# KiCad board KlusterLab r2.0.kicad_pcb (continued)
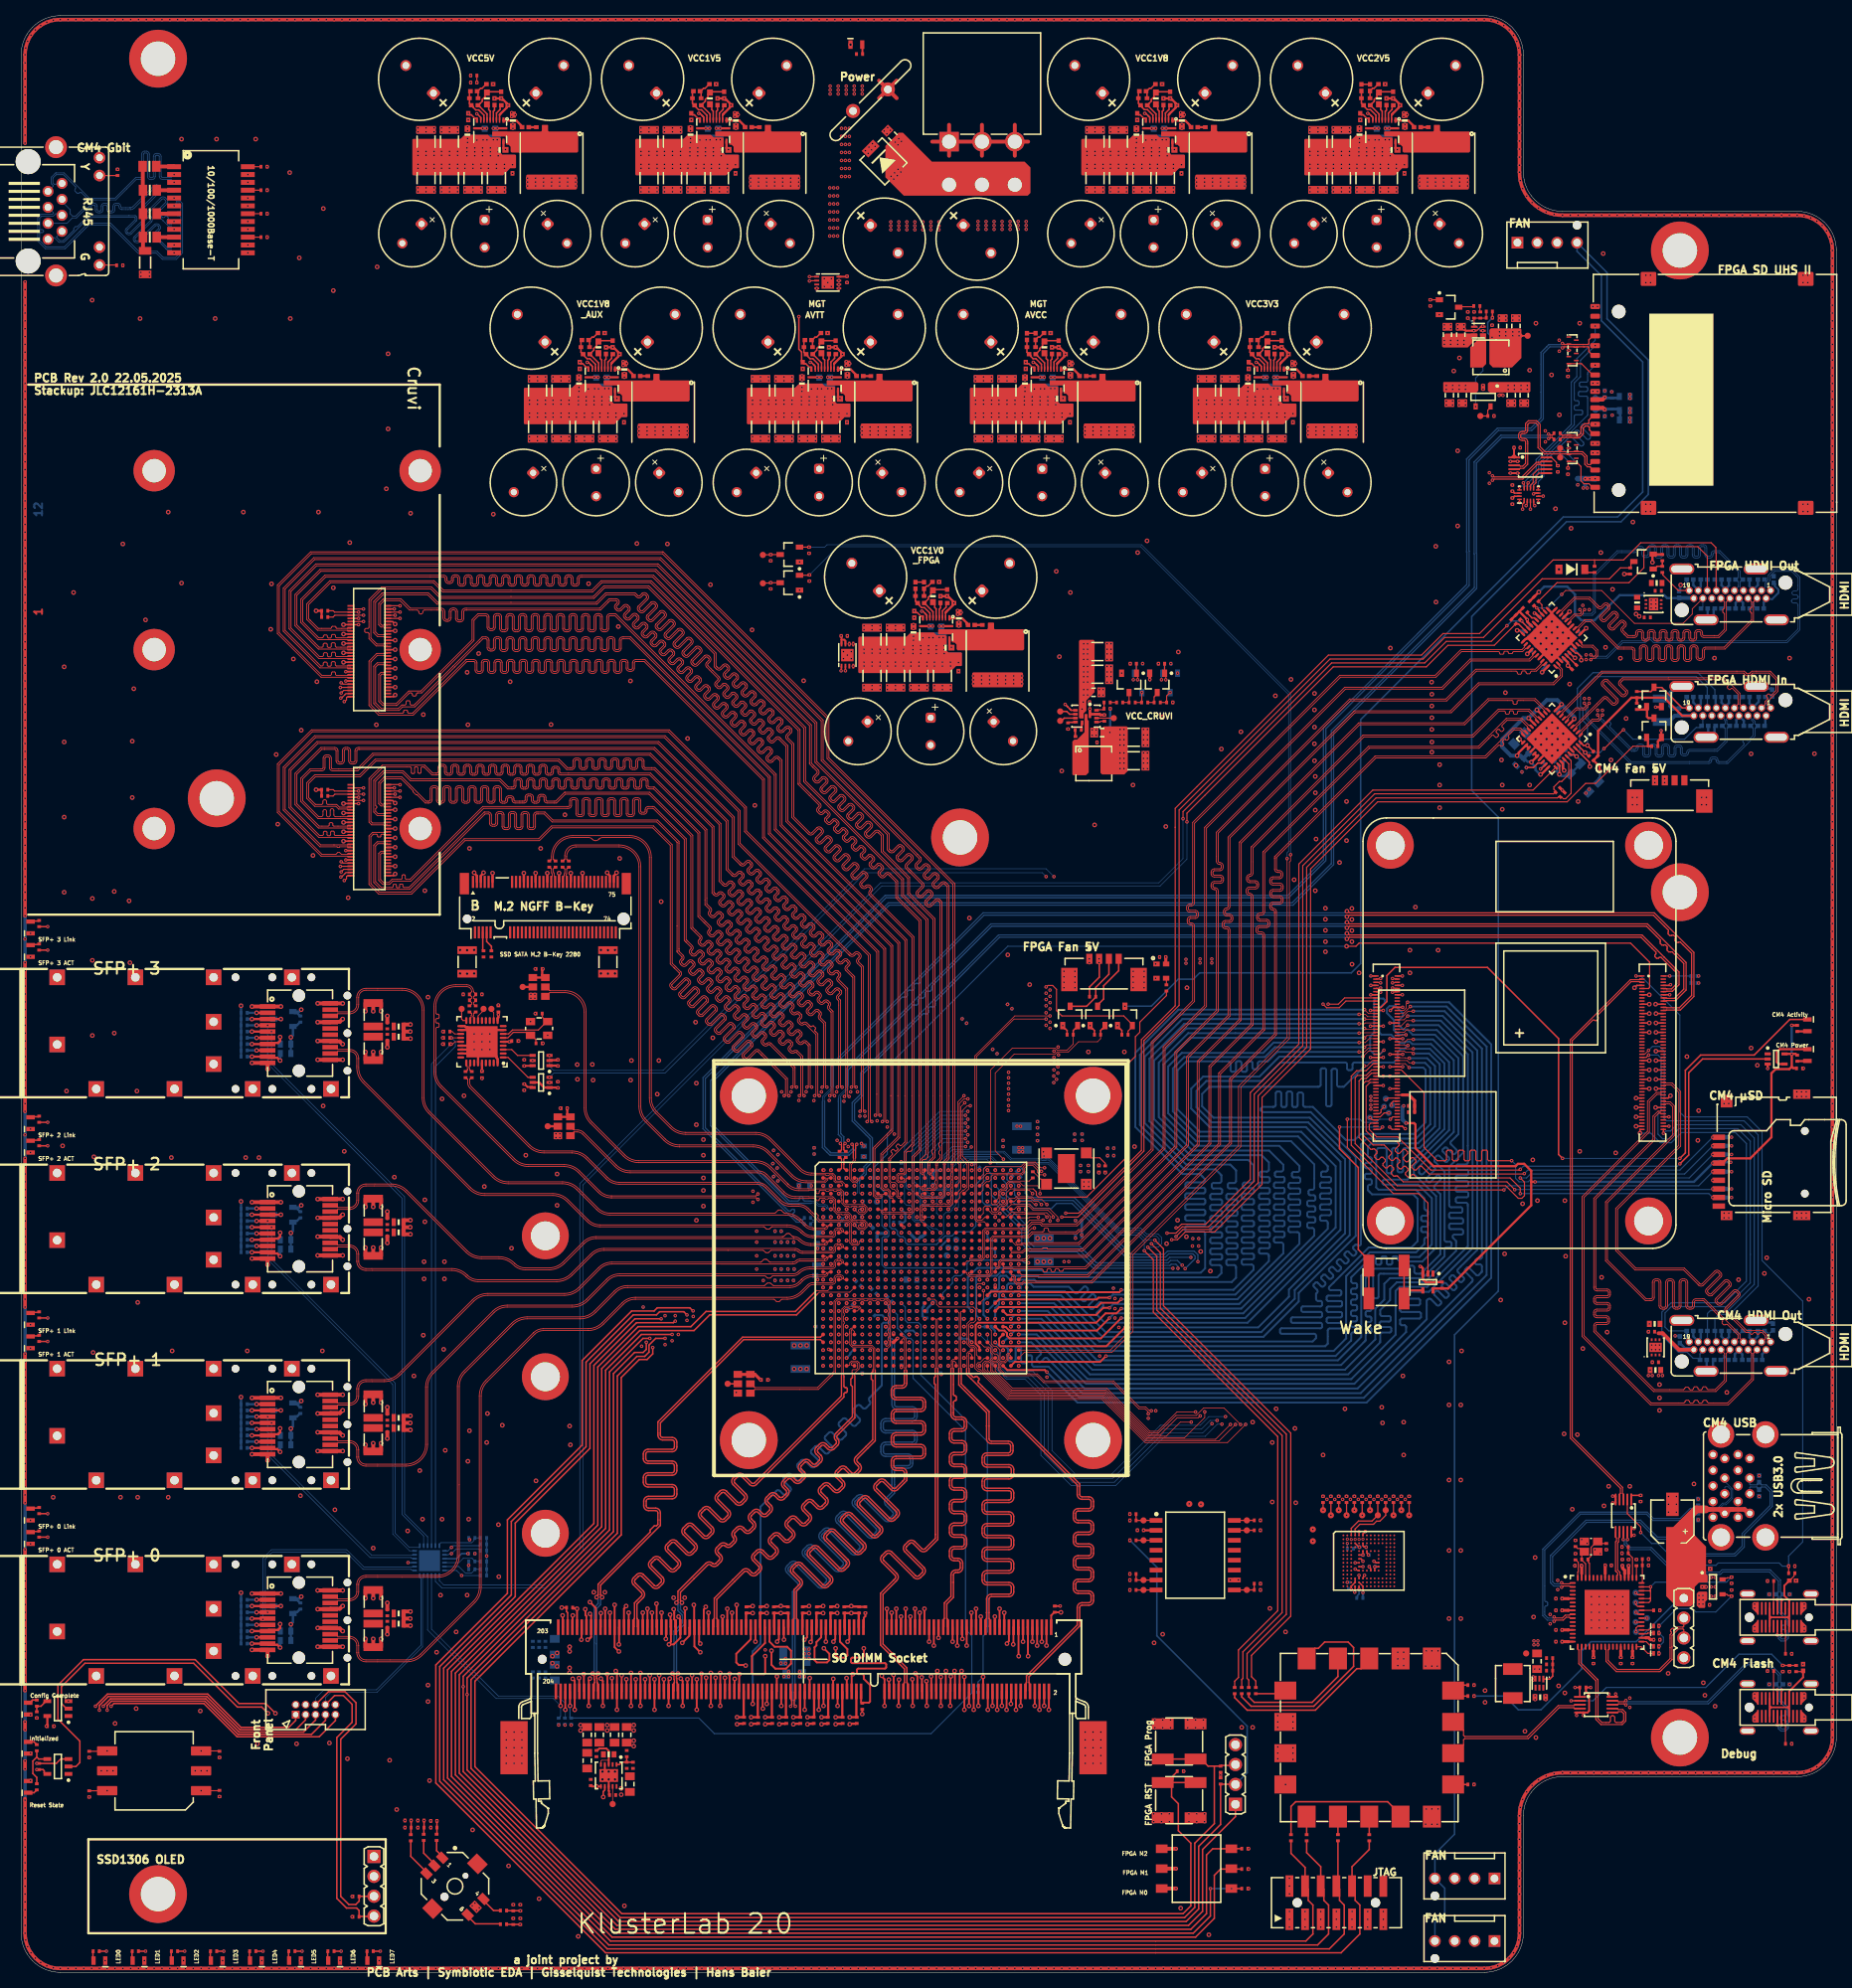
[diagram p0: board, top side]
## Routing (per net, layer and track width the routed paths; a pad name or vN(x,y) marks a point on that pad's centre or on a via; arc(x,y) is an arc through that point) (continued)
MGTX115_RX1_N: length 84.5
  L1 Top w0.1: U1.N3 104.8,90.5 ; 101.59,89.89 101.6,89.9 103.71,89.9 arc(103.99,90.01) 104.1,90.29 ; 104.67,90.9 104.68,90.9 arc(104.69,90.9) 104.69,90.9 ; 104.1,90.29 104.1,90.64 arc(104.18,90.83) 104.36,90.9 104.69,90.9 ; 104.69,90.9 arc(104.82,90.85) 104.91,90.74 arc(104.92,90.69) 104.92,90.64 104.92,90.61 arc(104.89,90.53) 104.81,90.5
  L1 Top w0.114: 101.59,89.87 100.78,89.87 arc(100.07,89.73) 99.47,89.33 arc(99.11,89.09) 98.67,89 96.13,89 ; 96.13,89 96.13,89 ; 96.13,89 96.13,89 ; 96.13,89 arc(96.05,88.99) 95.99,88.95 95.8,88.75 arc(95.74,88.71) 95.67,88.7 95.47,88.7 arc(95.4,88.71) 95.35,88.75 95.15,88.95 arc(95.09,88.99) 95.02,89 76.5,89 arc(75.68,88.84) 74.98,88.37 72.43,85.82 arc(71.52,85.21) 70.45,85 62.12,85 arc(61.22,84.82) 60.45,84.3 52.68,76.54 arc(52.13,75.72) 51.94,74.75 51.94,67.46 arc(51.13,65.49) 49.16,64.68 45.56,64.68 44.06,64.68 arc(43.24,65.02) 42.9,65.84 42.9,66.76 arc(42.63,67.41) 41.98,67.68 40.48,67.68 40.2,67.4 J3.12
MGTX115_RX1_P: length 84.6
  L1 Top w0.1: 101.59,90.11 101.6,90.1 103.65,90.1 arc(103.83,90.17) 103.9,90.35 103.9,90.71 arc(104.01,90.99) 104.29,91.1 104.35,91.1 ; 104.35,91.1 104.74,91.1 arc(105.01,90.99) 105.12,90.71 105.13,90.66 arc(105.13,90.66) 105.13,90.66 arc(105.12,90.65) 105.12,90.64 105.12,90.61 arc(105.16,90.53) 105.24,90.5 ; 104.35,91.1 arc(104.36,91.1) 104.36,91.1 ; 105.25,90.5 U1.N4 105.55,90.5
  L1 Top w0.114: J3.13 40.2,68.2 40.48,67.92 41.98,67.92 arc(42.8,67.58) 43.14,66.76 43.14,65.84 arc(43.41,65.19) 44.06,64.92 49.16,64.92 arc(50.96,65.66) 51.7,67.46 51.7,74.75 arc(51.91,75.81) 52.51,76.71 60.28,84.48 arc(61.12,85.04) 62.12,85.24 70.45,85.24 arc(71.43,85.44) 72.26,85.99 74.81,88.54 arc(75.58,89.06) 76.5,89.24 98.67,89.24 arc(99.01,89.31) 99.3,89.5 arc(99.98,89.95) 100.78,90.11 101.59,90.11
MGTX115_RX2_N: length 71.2
  L1 Top w0.1: 104.69,92.9 104.36,92.9 arc(104.18,92.83) 104.1,92.64 104.1,92.29 ; 104.69,92.9 arc(104.69,92.9) 104.68,92.9 104.67,92.9 ; 104.69,92.9 arc(104.82,92.85) 104.91,92.74 arc(104.92,92.69) 104.92,92.64 104.92,92.61 arc(104.89,92.53) 104.81,92.5 ; 101.59,91.89 101.6,91.9 103.71,91.9 arc(103.99,92.01) 104.1,92.29 ; U1.L3 104.8,92.5
  L1 Top w0.114: J4.12 40.2,92.4 40.48,92.68 41.98,92.68 arc(42.63,92.41) 42.9,91.76 42.9,90.84 arc(43.24,90.02) 44.06,89.68 55.02,89.68 arc(56,89.48) 56.83,88.93 56.88,88.88 arc(57.58,88.41) 58.4,88.25 68.45,88.25 arc(69.52,88.46) 70.43,89.07 72.98,91.62 arc(73.68,92.09) 74.5,92.25 90.33,92.25 94.8,92.25 arc(94.87,92.24) 94.93,92.2 95.12,92 arc(95.18,91.96) 95.25,91.95 95.45,91.95 arc(95.52,91.96) 95.58,92 95.82,92.25 98.9,92.25 98.94,92.25 arc(99.13,92.21) 99.3,92.1 arc(99.55,91.93) 99.85,91.87 101.59,91.87
MGTX115_RX2_P: length 71.3
  L1 Top w0.1: 101.59,92.11 101.6,92.1 103.65,92.1 arc(103.83,92.17) 103.9,92.35 103.9,92.71 arc(104.01,92.99) 104.29,93.1 104.35,93.1 ; 105.55,92.5 U1.L4 105.25,92.5 ; 104.35,93.1 104.74,93.1 arc(105.01,92.99) 105.12,92.71 105.13,92.66 arc(105.13,92.66) 105.13,92.66 arc(105.12,92.65) 105.12,92.64 105.12,92.61 arc(105.16,92.53) 105.24,92.5 ; 104.35,93.1 arc(104.36,93.1) 104.36,93.1
  L1 Top w0.114: 101.59,92.11 99.85,92.11 arc(99.64,92.15) 99.47,92.27 arc(99.23,92.43) 98.94,92.49 74.5,92.49 arc(73.58,92.31) 72.81,91.79 70.26,89.24 arc(69.43,88.69) 68.45,88.49 58.4,88.49 arc(57.67,88.64) 57.05,89.05 57,89.1 arc(56.09,89.71) 55.02,89.92 44.81,89.92 44.06,89.92 arc(43.41,90.19) 43.14,90.84 43.14,91.76 arc(42.8,92.58) 41.98,92.92 40.48,92.92 40.2,93.2 J4.13
MGTX115_RX3_N: length 77.9
  L1 Top w0.1: 104.1,94.29 104.1,94.64 arc(104.18,94.83) 104.36,94.9 104.69,94.9 ; 101.59,93.89 101.6,93.9 103.71,93.9 arc(103.99,94.01) 104.1,94.29 ; U1.J3 104.8,94.5 ; 104.67,94.9 104.68,94.9 arc(104.69,94.9) 104.69,94.9 ; 104.69,94.9 arc(104.82,94.85) 104.91,94.74 arc(104.92,94.69) 104.92,94.64 104.92,94.61 arc(104.89,94.53) 104.81,94.5
  L1 Top w0.114: J5.12 40.2,117.4 40.48,117.68 41.98,117.68 arc(42.63,117.41) 42.9,116.76 42.9,115.61 arc(43.11,114.55) 43.71,113.64 57.28,100.08 arc(58.19,99.47) 59.26,99.26 67.95,99.26 arc(68.93,99.06) 69.76,98.51 72.31,95.96 arc(73.08,95.44) 74,95.26 94.89,95.26 94.9,95.26 arc(94.97,95.24) 95.03,95.2 95.22,95.01 arc(95.28,94.97) 95.35,94.96 95.55,94.96 arc(95.62,94.97) 95.68,95.01 95.87,95.2 arc(95.93,95.24) 96,95.26 96,95.26 97.89,95.26 arc(98.86,95.07) 99.68,94.52 99.71,94.49 arc(100.39,94.03) 101.2,93.87 101.59,93.87
MGTX115_RX3_P: length 78
  L1 Top w0.1: 104.35,95.1 104.74,95.1 arc(105.01,94.99) 105.12,94.71 105.13,94.66 arc(105.13,94.66) 105.13,94.66 arc(105.12,94.65) 105.12,94.64 105.12,94.61 arc(105.16,94.53) 105.24,94.5 ; 104.35,95.1 104.29,95.1 arc(104.01,94.99) 103.9,94.71 103.9,94.35 arc(103.83,94.17) 103.65,94.1 101.6,94.1 101.59,94.11 ; 104.35,95.1 arc(104.36,95.1) 104.36,95.1 ; 105.55,94.5 U1.J4 105.25,94.5
  L1 Top w0.114: J5.13 40.2,118.2 40.48,117.92 41.98,117.92 arc(42.8,117.58) 43.14,116.76 43.14,115.61 arc(43.33,114.64) 43.88,113.82 57.45,100.25 arc(58.28,99.7) 59.26,99.5 67.95,99.5 arc(69.02,99.29) 69.93,98.68 72.48,96.13 arc(73.18,95.66) 74,95.5 97.89,95.5 arc(98.95,95.29) 99.86,94.69 99.97,94.57 arc(100.48,94.23) 101.07,94.11 101.59,94.11
MGTX115_TX0_N: length 95.7
  L1 Top w0.1: 102.67,89.1 102.68,89.1 arc(102.69,89.1) 102.69,89.1 ; 101.38,89.12 101.38,89.1 102.69,89.1 ; U1.P1 102.8,89.5 ; 102.69,89.1 arc(102.82,89.15) 102.91,89.26 arc(102.92,89.31) 102.92,89.36 102.92,89.39 arc(102.89,89.47) 102.81,89.5
  L1 Top w0.114: 77.5,87.74 94.95,87.74 arc(95.02,87.76) 95.08,87.8 95.3,88.02 arc(95.36,88.06) 95.43,88.07 95.71,88.07 arc(95.78,88.05) 95.84,88.01 96.06,87.8 arc(96.12,87.76) 96.19,87.74 98.29,87.74 98.29,87.74 arc(98.89,87.86) 99.4,88.2 99.71,88.51 ; J2.19 40.2,48 40.48,47.72 41.98,47.72 arc(42.63,47.99) 42.9,48.64 42.9,49.56 arc(43.24,50.38) 44.06,50.72 53.22,50.72 arc(55.02,51.46) 55.76,53.26 55.76,74.85 arc(55.97,75.91) 56.57,76.81 62.68,82.92 arc(63.59,83.53) 64.66,83.74 71.45,83.74 arc(72.43,83.94) 73.26,84.49 75.81,87.04 arc(76.58,87.56) 77.5,87.74 ; 99.71,88.51 99.78,88.58 ; 99.71,88.51 arc(100.48,89) 101.38,89.12 ; 99.71,88.51 arc(99.71,88.51) 99.71,88.51
MGTX115_TX0_P: length 95.7
  L1 Top w0.1: 101.38,88.9 102.74,88.9 arc(103.01,89.01) 103.12,89.29 103.13,89.34 arc(103.13,89.34) 103.13,89.34 arc(103.12,89.35) 103.12,89.36 103.12,89.39 arc(103.16,89.47) 103.24,89.5 ; 101.38,88.9 101.38,88.88 ; 101.38,88.9 101.37,88.9 ; 103.55,89.5 U1.P2 103.25,89.5
  L1 Top w0.114: 77.5,87.5 98.29,87.5 arc(98.98,87.64) 99.57,88.03 99.88,88.34 arc(100.56,88.77) 101.36,88.88 arc(101.37,88.88) 101.38,88.88 ; 77.5,87.5 arc(76.68,87.34) 75.98,86.87 73.43,84.32 arc(72.52,83.71) 71.45,83.5 64.66,83.5 arc(63.68,83.3) 62.85,82.75 56.74,76.64 arc(56.19,75.82) 56,74.85 56,53.26 arc(55.19,51.29) 53.22,50.48 45.56,50.48 44.06,50.48 arc(43.41,50.21) 43.14,49.56 43.14,48.64 arc(42.8,47.82) 41.98,47.48 40.48,47.48 40.2,47.2 J2.18 ; 77.5,87.5 arc(77.5,87.5) 77.5,87.5
MGTX115_TX1_N: length 72.5
  L1 Top w0.1: U1.M1 102.8,91.5 ; 102.67,91.1 102.68,91.1 arc(102.69,91.1) 102.69,91.1 ; 101.85,91.1 102.69,91.1 ; 102.69,91.1 arc(102.82,91.15) 102.91,91.26 arc(102.92,91.31) 102.92,91.36 102.92,91.39 arc(102.89,91.47) 102.81,91.5
  L1 Top w0.114: 101.86,91.12 99.53,91.12 arc(99.24,91.06) 99,90.9 arc(98.82,90.78) 98.62,90.74 95.74,90.74 ; 95.74,90.74 95.74,90.74 ; 95.74,90.74 arc(95.67,90.75) 95.61,90.8 95.35,91.06 arc(95.29,91.1) 95.22,91.11 95.02,91.11 arc(94.95,91.1) 94.89,91.06 94.63,90.8 arc(94.57,90.75) 94.5,90.74 75.5,90.74 arc(74.58,90.56) 73.81,90.04 71.26,87.49 arc(70.43,86.94) 69.45,86.74 59.66,86.74 arc(58.59,86.53) 57.68,85.92 48.22,76.46 arc(47.4,75.91) 46.43,75.72 44.06,75.72 arc(43.24,75.38) 42.9,74.56 42.9,73.64 arc(42.63,72.99) 41.98,72.72 40.48,72.72 40.2,73 J3.19
MGTX115_TX1_P: length 72.5
  L1 Top w0.1: 103.55,91.5 U1.M2 103.25,91.5 ; 101.85,90.9 102.74,90.9 arc(103.01,91.01) 103.12,91.29 103.13,91.34 arc(103.13,91.34) 103.13,91.34 arc(103.12,91.35) 103.12,91.36 103.12,91.39 arc(103.16,91.47) 103.24,91.5
  L1 Top w0.114: 75.5,90.5 98.62,90.5 arc(98.92,90.56) 99.17,90.73 arc(99.34,90.84) 99.53,90.88 101.86,90.88 ; J3.18 40.2,72.2 40.48,72.48 41.98,72.48 arc(42.8,72.82) 43.14,73.64 43.14,74.56 arc(43.41,75.21) 44.06,75.48 46.43,75.48 arc(47.49,75.69) 48.39,76.29 57.85,85.75 arc(58.68,86.3) 59.66,86.5 69.45,86.5 arc(70.52,86.71) 71.43,87.32 73.98,89.87 arc(74.68,90.34) 75.5,90.5
MGTX115_TX2_N: length 72.3
  L1 Top w0.1: 102.67,93.1 102.68,93.1 arc(102.69,93.1) 102.69,93.1 ; 101.42,93.11 101.43,93.1 102.69,93.1 ; U1.K1 102.8,93.5 ; 102.69,93.1 arc(102.82,93.15) 102.91,93.26 arc(102.92,93.31) 102.92,93.36 102.92,93.39 arc(102.89,93.47) 102.81,93.5
  L1 Top w0.114: 98.68,94 98.77,94 arc(99.21,93.91) 99.57,93.67 arc(100.19,93.25) 100.93,93.11 101.42,93.11 ; 98.68,94 98.68,94 ; 98.68,94 arc(98.6,94.01) 98.54,94.06 98.25,94.35 arc(98.19,94.39) 98.12,94.4 97.93,94.4 arc(97.86,94.39) 97.8,94.35 97.5,94.05 arc(97.44,94.01) 97.37,94 ; J4.19 40.2,98 40.48,97.72 41.98,97.72 arc(42.63,97.99) 42.9,98.64 42.9,99.56 arc(43.24,100.38) 44.06,100.72 47.33,100.72 arc(48.39,100.51) 49.29,99.91 57.02,92.18 arc(57.85,91.62) 58.83,91.43 61.07,91.43 arc(62.14,91.22) 63.05,90.61 63.1,90.56 arc(63.72,90.15) 64.45,90 67.45,90 arc(68.43,90.2) 69.26,90.75 71.81,93.3 arc(72.58,93.82) 73.5,94 97.28,94 97.37,94 ; 97.37,94 97.37,94
MGTX115_TX2_P: length 72.3
  L1 Top w0.1: 103.55,93.5 U1.K2 103.25,93.5 ; 101.42,92.87 arc(101.45,92.89) 101.5,92.9 102.74,92.9 arc(103.01,93.01) 103.12,93.29 103.13,93.34 arc(103.13,93.34) 103.13,93.34 arc(103.12,93.35) 103.12,93.36 103.12,93.39 arc(103.16,93.47) 103.24,93.5
  L1 Top w0.114: 101.42,92.87 100.93,92.87 arc(100.1,93.03) 99.4,93.5 arc(99.11,93.69) 98.77,93.76 73.5,93.76 arc(72.68,93.6) 71.98,93.13 69.43,90.58 arc(68.52,89.97) 67.45,89.76 64.45,89.76 arc(63.63,89.92) 62.93,90.39 ; J4.18 40.2,97.2 40.48,97.48 41.98,97.48 arc(42.8,97.82) 43.14,98.64 43.14,99.56 arc(43.41,100.21) 44.06,100.48 47.33,100.48 arc(48.3,100.29) 49.12,99.74 56.85,92.01 arc(57.76,91.4) 58.83,91.19 61.07,91.19 arc(62.05,90.99) 62.88,90.44
MGTX115_TX3_N: length 86.3
  L1 Top w0.1: 102.67,95.1 102.68,95.1 arc(102.69,95.1) 102.69,95.1 ; 102.69,95.1 101.32,95.1 arc(101.25,95.11) 101.2,95.15 ; 102.69,95.1 arc(102.82,95.15) 102.91,95.26 arc(102.92,95.31) 102.92,95.36 102.92,95.39 arc(102.89,95.47) 102.81,95.5 ; U1.H1 102.8,95.5
  L1 Top w0.114: 96.29,97 96.19,97 75.25,97 arc(74.43,97.16) 73.73,97.63 71.18,100.18 arc(70.27,100.79) 69.2,101 62.26,101 arc(61.28,101.2) 60.45,101.75 52.24,109.96 arc(51.69,110.78) 51.5,111.75 51.5,122.94 arc(50.69,124.91) 48.72,125.72 44.06,125.72 arc(43.24,125.38) 42.9,124.56 42.9,123.64 arc(42.63,122.99) 41.98,122.72 40.48,122.72 40.2,123 J5.19 ; 96.29,97 96.29,97 ; 96.29,97 arc(96.36,97.02) 96.42,97.06 96.72,97.35 arc(96.78,97.39) 96.85,97.4 97.04,97.4 arc(97.11,97.39) 97.16,97.35 97.46,97.06 arc(97.52,97.01) 97.59,97 ; 97.59,97 97.69,97 arc(98.75,96.79) 99.66,96.19 100.33,95.51 arc(100.73,95.24) 101.2,95.15 ; 97.59,97 97.59,97
MGTX115_TX3_P: length 86.3
  L1 Top w0.1: 103.55,95.5 U1.H2 103.25,95.5 ; 101.32,94.9 101.57,94.9 102.74,94.9 arc(103.01,95.01) 103.12,95.29 103.13,95.34 arc(103.13,95.34) 103.13,95.34 arc(103.12,95.35) 103.12,95.36 103.12,95.39 arc(103.16,95.47) 103.24,95.5
  L1 Top w0.114: J5.18 40.2,122.2 40.48,122.48 41.98,122.48 arc(42.8,122.82) 43.14,123.64 43.14,124.56 arc(43.41,125.21) 44.06,125.48 48.72,125.48 arc(50.52,124.74) 51.26,122.94 51.26,111.75 arc(51.47,110.69) 52.07,109.79 60.28,101.58 arc(61.19,100.97) 62.26,100.76 69.2,100.76 arc(70.18,100.56) 71.01,100.01 73.56,97.46 arc(74.33,96.94) 75.25,96.76 97.69,96.76 arc(98.66,96.57) 99.48,96.02 100.16,95.34 arc(100.64,95.02) 101.2,94.91 101.26,94.9 arc(101.29,94.89) 101.32,94.89
NetC14_1: length 2.9
  L1 Top w0.2: U2.1 76.45,26.55 76.75,26.85 R4.2 ; R4.2 R2.2 ; R4.2 C14.1
NetC53_2: length 6.5
  L1 Top w0.15: C53.2 201.76,54.79 Y1.3 201.4,55.05 200.65,54.3 200.65,53.2 200.25,52.8 R82.1 200.32,52.67 200.32,52.38 200.45,52.25 U7.61
NetC54_2: length 5
  L1 Top w0.15: 199.75,53.7 199.46,53.41 R82.2 199.46,52.7 199.95,52.21 U7.62 ; Y1.1 199.7,53.75 199.29,54.16 198.95,54.16 198.7,54.41 C54.2
NetC70_1: length 1
  L1 Top w0.3: R232.2 C70.1
NetC76_1: length 4.7
  L1 Top w0.2: U13.7 116.15,173.66 115.45,174.37 115.09,174.37 114.78,174.68 114.78,174.78 114.6,174.95 114.55,174.95 114.3,175.2 C76.1 R207.1
NetC76_2: length 2.4
  L1 Top w0.2: R289.1 116.45,177.65 115.93,177.13 115.73,177.13 115.4,176.8 R210.2 C76.2
NetC77_1: length 9.1
  L1 Top w0.3: U13.19 118.65,169.48 118.83,169.29 v1(118.9,169.29)
  L10 Inner9 (Sig) w0.3: v1(114.15,173.08) 117.88,173.08 118.42,172.53 118.42,171.37 118.9,170.89 v1(118.9,169.29)
NetC111_1: length 2.2
  L1 Top w0.2: U13.5 116.95,174.2 116.76,174.39 116.76,174.85 C111.1
NetC111_2: length 6.3
  L1 Top w0.2: U13.6 116.55,173.84 115.63,174.76 115.63,174.78 115.45,174.95 ; R290.1 115.45,174.95 ; R294.1 116.64,176.68 C111.2 116.29,176.33 116.29,176.02 115.94,175.68 115.94,175.47 115.63,175.15 115.63,175.13 115.45,174.95
NetC117_1: length 3.7
  L1 Top w0.2: U6.1 195.38,37.48 195.75,37.85 R79.1
NetC160_2: length 0.7
  L12 Bottom w0.189: v3(169.5,54.8) 169.5,54.8 169.5,54.13 C160.2
NetC161_2: length 1.7
  L1 Top w0.15: T1.15 C161.2
NetC162_2: length 1.7
  L1 Top w0.15: T1.18 C162.2
NetC164_2: length 1.7
  L1 Top w0.15: T1.21 C164.2
NetC165_2: length 1.7
  L1 Top w0.15: T1.24 C165.2
NetC166_1: length 10.9
  L1 Top w0.5: C166.1 15.83,219.95 15.58,220.2 R76.2 R77.2 R131.2 15.55,227.72 15.55,230.72 R150.2
NetC180_2: length 1.6
  L1 Top w0.2: v2(191.5,157.55) 191.92,157.13 191.99,157.13 U21.21
  L12 Bottom w0.2: v2(191.5,157.55) 190.89,156.95 C180.2
NetC193_2: length 7.6
  L1 Top w0.15: 67.18,121.48 66.62,122.03 66.62,122.48 C193.2 ; 67.18,121.48 Y3.1 ; 67.18,121.48 66.1,120.4 62.8,120.4 62.3,119.9 U23.7
NetC196_2: length 5.3
  L1 Top w0.15: C196.2 65.79,118.72 65.79,119.17 65.23,119.73 Y3.3 64.73,120.1 62.9,120.1 62.2,119.4 U23.6
NetC289_1: length 1
  L1 Top w0.3: R213.2 C289.1
NetC295_1: length 4.7
  L1 Top w0.2: U28.7 59.15,237.29 58.49,237.95 58.11,237.95 57.78,238.28 57.78,238.38 57.6,238.55 57.55,238.55 57.3,238.8 C295.1 57.3,240.38
NetC295_2: length 2.4
  L1 Top w0.2: C295.2 58.4,240.4 58.73,240.73 58.93,240.73 59.45,241.25 R216.1
NetC296_1: length 9.1
  L1 Top w0.3: v1(61.9,232.89) 61.83,232.89 61.65,233.08 U28.19
  L10 Inner9 (Sig) w0.3: v1(57.15,236.68) 60.88,236.68 61.42,236.13 61.42,234.97 61.9,234.49 v1(61.9,232.89)
NetC301_1: length 2.2
  L1 Top w0.2: C301.1 59.76,238.45 59.76,237.99 59.95,237.8 U28.5
NetC301_2: length 6.3
  L1 Top w0.2: 58.43,238.55 58.45,238.55 ; 58.45,238.55 58.63,238.73 58.63,238.75 58.94,239.07 58.94,239.28 59.29,239.62 59.29,239.93 C301.2 59.64,240.28 R220.1 ; 58.45,238.55 58.63,238.38 58.63,238.36 59.55,237.44 U28.6
NetC316_1: length 1
  L1 Top w0.3: R221.2 C316.1
NetC322_1: length 4.7
  L1 Top w0.2: 142.8,240.38 C322.1 142.8,238.8 143.05,238.55 143.1,238.55 143.28,238.37 143.28,238.28 143.56,237.99 143.95,237.99 144.65,237.29 U29.7
NetC322_2: length 2.4
  L1 Top w0.2: R224.1 144.95,241.25 144.43,240.72 144.23,240.72 143.9,240.4 C322.2
NetC323_1: length 9.1
  L1 Top w0.3: v1(147.4,232.89) 147.33,232.89 147.15,233.08 U29.19
  L10 Inner9 (Sig) w0.3: v1(147.4,232.89) 147.4,234.49 146.92,234.97 146.92,236.13 146.38,236.68 v1(142.65,236.68)
NetC328_1: length 2.2
  L1 Top w0.2: U29.5 145.45,237.8 145.26,237.99 145.26,238.45 C328.1
NetC328_2: length 6.3
  L1 Top w0.2: 143.95,238.55 144.13,238.73 144.13,238.75 144.44,239.07 144.44,239.28 144.79,239.62 144.79,239.93 C328.2 145.14,240.28 R233.1 ; 143.95,238.55 144.13,238.37 144.13,238.36 145.05,237.44 U29.6 ; 143.95,238.55 R225.1
NetC343_1: length 1
  L1 Top w0.3: R234.2 C343.1
NetC349_1: length 4.7
  L1 Top w0.2: U30.7 73.4,205.46 72.7,206.17 72.34,206.17 72.03,206.48 72.03,206.58 71.85,206.75 71.8,206.75 71.55,207 C349.1 71.55,208.58
NetC349_2: length 2.4
  L1 Top w0.2: C349.2 72.65,208.6 72.98,208.93 73.18,208.93 73.7,209.45 R237.1
NetC350_1: length 9.1
  L1 Top w0.3: U30.19 75.9,201.28 76.08,201.09 v1(76.15,201.09)
  L10 Inner9 (Sig) w0.3: v1(71.4,204.88) 75.13,204.88 75.67,204.33 75.67,203.17 76.15,202.69 v1(76.15,201.09)
NetC355_1: length 2.2
  L1 Top w0.2: U30.5 74.2,206 74.01,206.19 74.01,206.65 C355.1
NetC355_2: length 6.3
  L1 Top w0.2: 72.7,206.75 R238.1 ; 72.7,206.75 72.88,206.93 72.88,206.95 73.19,207.27 73.19,207.48 73.54,207.82 73.54,208.13 C355.2 73.89,208.48 R241.1 ; 72.7,206.75 72.88,206.58 72.88,206.56 73.8,205.64 U30.6
NetC370_1: length 1
  L1 Top w0.3: R242.2 C370.1
NetC376_1: length 4.7
  L1 Top w0.2: 85.8,240.38 C376.1 85.8,238.8 86.05,238.55 86.1,238.55 86.28,238.38 86.28,238.28 86.59,237.97 86.95,237.97 87.65,237.26 U31.7
NetC376_2: length 2.4
  L1 Top w0.2: C376.2 86.9,240.4 87.23,240.73 87.43,240.73 87.95,241.25 R245.1
NetC377_1: length 9.1
  L1 Top w0.3: v1(90.4,232.89) 90.33,232.89 90.15,233.08 U31.19
  L10 Inner9 (Sig) w0.3: v1(90.4,232.89) 90.4,234.49 89.92,234.97 89.92,236.13 89.38,236.68 v1(85.65,236.68)
NetC382_1: length 2.2
  L1 Top w0.2: C382.1 88.26,238.45 88.26,237.99 88.45,237.8 U31.5
NetC382_2: length 6.3
  L1 Top w0.2: R249.1 88.14,240.28 C382.2 87.79,239.93 87.79,239.62 87.44,239.28 87.44,239.07 87.13,238.75 87.13,238.73 86.95,238.55 ; R246.1 86.95,238.55 ; 86.95,238.55 87.13,238.38 87.13,238.36 88.05,237.44 U31.6
NetC397_1: length 1
  L1 Top w0.3: R250.2 C397.1
NetC403_1: length 4.7
  L1 Top w0.2: U32.7 101.9,205.46 101.2,206.17 100.84,206.17 100.53,206.48 100.53,206.58 100.35,206.75 100.3,206.75 100.05,207 C403.1 100.05,208.58
NetC403_2: length 2.4
  L1 Top w0.2: R253.1 102.2,209.45 101.68,208.93 101.48,208.93 101.15,208.6 C403.2
NetC404_1: length 9.1
  L1 Top w0.3: U32.19 104.4,201.28 104.58,201.09 v1(104.65,201.09)
  L10 Inner9 (Sig) w0.3: v1(99.9,204.88) 103.63,204.88 104.17,204.33 104.17,203.17 104.65,202.69 v1(104.65,201.09)
NetC409_1: length 2.2
  L1 Top w0.2: C409.1 102.51,206.65 102.51,206.19 102.7,206 U32.5
NetC409_2: length 6.3
  L1 Top w0.2: 101.2,206.75 101.38,206.58 101.38,206.56 102.3,205.64 U32.6 ; 101.2,206.75 101.38,206.93 101.38,206.95 101.69,207.27 101.69,207.48 102.04,207.82 102.04,208.13 C409.2 102.39,208.48 R297.1 ; 101.2,206.75 R287.1
NetC431_1: length 1
  L1 Top w0.3: R298.2 C431.1
NetC437_1: length 4.7
  L1 Top w0.2: R288.1 C437.1 128.55,207 128.8,206.75 128.85,206.75 129.03,206.57 129.03,206.48 129.34,206.17 129.7,206.17 130.4,205.46 U33.7
NetC437_2: length 2.4
  L1 Top w0.2: R301.1 130.7,209.45 130.18,208.92 129.98,208.92 129.65,208.6 R300.2 C437.2
NetC438_1: length 9.1
  L1 Top w0.3: v1(133.15,201.09) 133.08,201.09 132.9,201.27 U33.19
  L10 Inner9 (Sig) w0.3: v1(128.4,204.87) 132.13,204.87 132.67,204.33 132.67,203.17 133.15,202.69 v1(133.15,201.09)
NetC443_1: length 2.2
  L1 Top w0.2: C443.1 131.01,206.65 131.01,206.19 131.2,206 U33.5
NetC443_2: length 6.3
  L1 Top w0.2: R305.1 130.89,208.47 C443.2 130.54,208.13 130.54,207.82 130.19,207.48 130.19,207.27 129.88,206.95 129.88,206.92 129.7,206.75 ; 129.7,206.75 R302.1 ; 129.7,206.75 129.88,206.57 129.88,206.56 130.8,205.64 U33.6
NetC458_1: length 1
  L1 Top w0.3: R306.2 C458.1
NetC464_1: length 4.7
  L1 Top w0.2: R308.1 C464.1 171.3,238.8 171.55,238.55 171.6,238.55 171.78,238.38 171.78,238.28 172.06,237.99 172.45,237.99 173.15,237.29 U34.7
NetC464_2: length 2.4
  L1 Top w0.2: R309.1 173.45,241.25 172.93,240.73 172.73,240.73 172.4,240.4 R322.2 C464.2
NetC465_1: length 9.1
  L1 Top w0.3: U34.19 175.65,233.08 175.83,232.89 v1(175.9,232.89)
  L10 Inner9 (Sig) w0.3: v1(175.9,232.89) 175.9,234.49 175.42,234.97 175.42,236.13 174.88,236.68 v1(171.15,236.68)
NetC470_1: length 2.2
  L1 Top w0.2: U34.5 173.95,237.8 173.76,237.99 173.76,238.45 C470.1
NetC470_2: length 6.3
  L1 Top w0.2: 172.45,238.55 172.63,238.73 172.63,238.75 172.94,239.07 172.94,239.28 173.29,239.62 173.29,239.93 C470.2 173.64,240.28 R313.1 ; 172.45,238.55 R310.1 ; 172.45,238.55 172.63,238.38 172.63,238.36 173.55,237.44 U34.6
NetC485_1: length 1
  L1 Top w0.3: R314.2 C485.1
NetC491_1: length 4.8
  L1 Top w0.2: 157.05,208.57 C491.1 157.05,207 157.3,206.75 157.35,206.75 157.53,206.57 157.53,206.48 157.84,206.17 158.2,206.17 158.9,205.46 U35.7 158.9,204.82
NetC491_2: length 2.4
  L1 Top w0.2: C491.2 158.15,208.6 158.48,208.92 158.68,208.92 159.2,209.45 R317.1
NetC492_1: length 9.1
  L1 Top w0.3: v1(161.65,201.09) 161.58,201.09 161.4,201.27 U35.19
  L10 Inner9 (Sig) w0.3: v1(156.9,204.87) 160.63,204.87 161.17,204.33 161.17,203.17 161.65,202.69 v1(161.65,201.09)
NetC497_1: length 2.2
  L1 Top w0.2: C497.1 159.51,206.65 159.51,206.19 159.7,206 U35.5
NetC497_2: length 6.3
  L1 Top w0.2: U35.6 159.3,205.64 158.38,206.56 158.38,206.57 158.2,206.75 ; 158.2,206.75 158.38,206.92 158.38,206.95 158.69,207.27 158.69,207.48 159.04,207.82 159.04,208.13 C497.2 159.39,208.47 R321.1 ; 158.2,206.75 R318.1
NetC511_1: length 0.9
  L1 Top w0.25: R323.2 134.73,157.92 134.73,158.73 C511.1
NetC511_2: length 0.9
  L1 Top w0.25: U37.7 135.55,159.6 135.55,158.81 C511.2
NetC512_1: length 1
  L1 Top w0.15: U37.9 137.9,159.75 138.01,159.86 C512.1
NetC530_1: length 3.5
  L1 Top w0.15: U40.1 185.7,210.28 R342.2 R340.2 187.21,211.36 R339.1 C530.1
NetD1_2: length 1.3
  L1 Top w0.3: R71.1 227.02,120.23 228.28,120.23 D1.2
NetD2_1: length 6.4
  L1 Top w0.3: U3.4 224.65,116.05 224.4,116.3 224.4,117.6 224.75,117.95 D2.1
NetD2_2: length 1.3
  L1 Top w0.3: D2.2 228.28,116.43 227.02,116.43 R72.1
NetD22_1: length 12.7
  L1 Top w0.15: R83.1 227.65,38.42 D22.1
  L1 Top w0.25: 225.8,33.86 225.95,34.01 ; 225.8,33.86 223.65,33.86 ; 225.8,33.86 225.95,33.71 ; 223.5,33.71 223.65,33.86 ; 223.65,33.86 223.5,34.01 ; J13.B4 225.98,35.92 227.75,37.69 D22.1 ; J13.B9 J13.A4
NetD29_1: length 1.3
  L1 Top w0.2: D29.1 1.65,22.95 1.86,23.17 1.86,23.22 1.95,23.31 R106.2
NetD30_2: length 1.3
  L1 Top w0.2: R108.2 1.95,29.1 1.86,29.19 1.86,29.24 1.65,29.45 D30.2
NetD31_2: length 1.3
  L1 Top w0.2: D31.2 1.18,34.45 1.35,34.63 1.35,34.68 1.47,34.8 R109.1
NetD37_1: length 1.4
  L1 Top w0.2: R151.1 200.2,178.86 199.85,179.21 D37.1
NetD64_2: length 1.2
  L1 Top w0.2: 9.11,2.6 9.18,2.53 9.18,1.57 D64.2
NetD65_2: length 1.2
  L1 Top w0.2: D65.2 14.18,1.57 14.18,2.53 14.11,2.6
NetD66_2: length 1.2
  L1 Top w0.2: D66.2 19.18,1.57 19.18,2.53 19.11,2.6
NetD67_2: length 1.2
  L1 Top w0.2: 24.11,2.6 24.18,2.53 24.18,1.57 D67.2
NetD68_2: length 1.2
  L1 Top w0.2: D68.2 29.18,1.57 29.18,2.53 29.11,2.6
NetD69_2: length 1.2
  L1 Top w0.2: 34.11,2.6 34.18,2.53 34.18,1.57 D69.2
NetD70_2: length 1.2
  L1 Top w0.2: D70.2 39.18,1.57 39.18,2.53 39.11,2.6
NetD71_2: length 2.4
  L1 Top w0.2: 44.11,2.6 44.18,2.53 44.18,1.57 D71.2 44.23,1.52 44.23,2.68 R196.1
NetD73_2: length 1.2
  L1 Top w0.25: D73.2 107.53,246.28 107.53,245.13 R212.1
NetD75_1: length 13.9
  L1 Top w0.15: R134.1 226.58,50.89 226.58,50.62 226.23,50.27 226.23,50.25 226.03,50.05 226.01,50.05
  L1 Top w0.25: J14.B4 J14.A9 ; J14.A9 225.98,47.5 225.35,48.12 225.35,49.4 225.83,49.88 225.83,49.9 225.98,50.05 D75.1 ; J14.A9 225.98,45.51 ; J14.B9 J14.A4 ; 223.5,45.21 223.65,45.36 ; 223.65,45.36 225.8,45.36 ; 223.65,45.36 223.5,45.51 ; 225.8,45.36 225.95,45.21 ; 225.8,45.36 225.95,45.51
NetD77_1: length 1.8
  L1 Top w0.15: U7.36 208.03,43.75 208.35,44.06 208.55,44.06 208.65,44.16 D77.1
NetD78_1: length 1.6
  L1 Top w0.15: D78.1 207.9,43.35 207.8,43.25 U7.35
NetD79_1: length 1.8
  L1 Top w0.15: D79.1 208.65,41.73 208.55,41.83 208.12,41.83 207.7,42.25 U7.33
NetD80_1: length 2.6
  L1 Top w0.15: U7.32 207.05,41.6 207.9,40.75 D80.1
NetD138_2: length 1.2
  L1 Top w0.2: D138.2 1.27,59.32 2.23,59.32 R275.2
NetD139_2: length 1.2
  L1 Top w0.2: D139.2 1.27,56.32 2.23,56.32 R276.2
NetD140_2: length 1.2
  L1 Top w0.2: R277.2 2.23,84.32 1.27,84.32 D140.2
NetD141_2: length 1.2
  L1 Top w0.2: R278.2 2.23,81.32 1.27,81.32 D141.2
NetD142_2: length 1.2
  L1 Top w0.2: R279.2 2.23,109.32 1.27,109.32 D142.2
NetD143_2: length 1.2
  L1 Top w0.2: D143.2 1.27,106.32 2.23,106.32 R280.2
NetD144_2: length 1.2
  L1 Top w0.2: D144.2 1.27,134.32 2.23,134.32 R281.2
NetD145_2: length 1.2
  L1 Top w0.2: D145.2 1.27,131.32 2.23,131.32 R282.2
NetF1_1: length 60.9
  L1 Top w0.5: J26.1 J26.3 ; J26.1 118.6,236.05 ; J26.1 118.6,232.1 ; J26.1 116.45,233.9 ; J26.3 127,236.05 ; J26.3 127,232.1 ; J26.3 128.7,233.9 ; F1.1 111.9,239.46 ; F1.1 109.65,241.7 ; F1.1 109.65,239.46 ; F1.1 111.9,241.7 ; 122.8,236.05 J26.2 122.8,232.1
  L5 Inner4 (PWR) w0.5: J26.3 127,236.05 ; J26.3 J26.1 ; J26.3 127,232.1 ; J26.3 128.7,233.9 ; J26.1 116.45,233.9 ; J26.1 118.6,236.05 ; J26.1 118.6,232.1 ; 122.8,232.1 J26.2 122.8,236.05 ; 109.65,239.46 F1.1 ; F1.1 111.9,241.7 ; F1.1 109.65,241.7 ; F1.1 111.9,239.46
NetJ6_6: length 2.4
  L1 Top w0.2: J6.6 59,130.61 59.01,130.6 59.1,130.6
NetJ6_8: length 2.6
  L1 Top w0.2: J6.8 59.5,131.7 60.11,131.09 60.11,130.5
NetJ7_78: length 4
  L1 Top w0.2: J7.78 176.5,112.1 176.5,112.1
  L1 Top w0.4: 178.1,109.91 178.1,111.37 177.37,112.1 176.5,112.1
NetJ7_89: length 1.6
  L1 Top w0.15: J7.89 173.16,109.71 173.61,109.71 173.8,109.9 173.8,110.2 v1(174.2,110.6)
NetJ7_91: length 1.9
  L1 Top w0.15: v1(174.8,109.8) 174.2,109.8 173.7,109.3 J7.91